# KiCad board storre.kicad_pcb (continued)
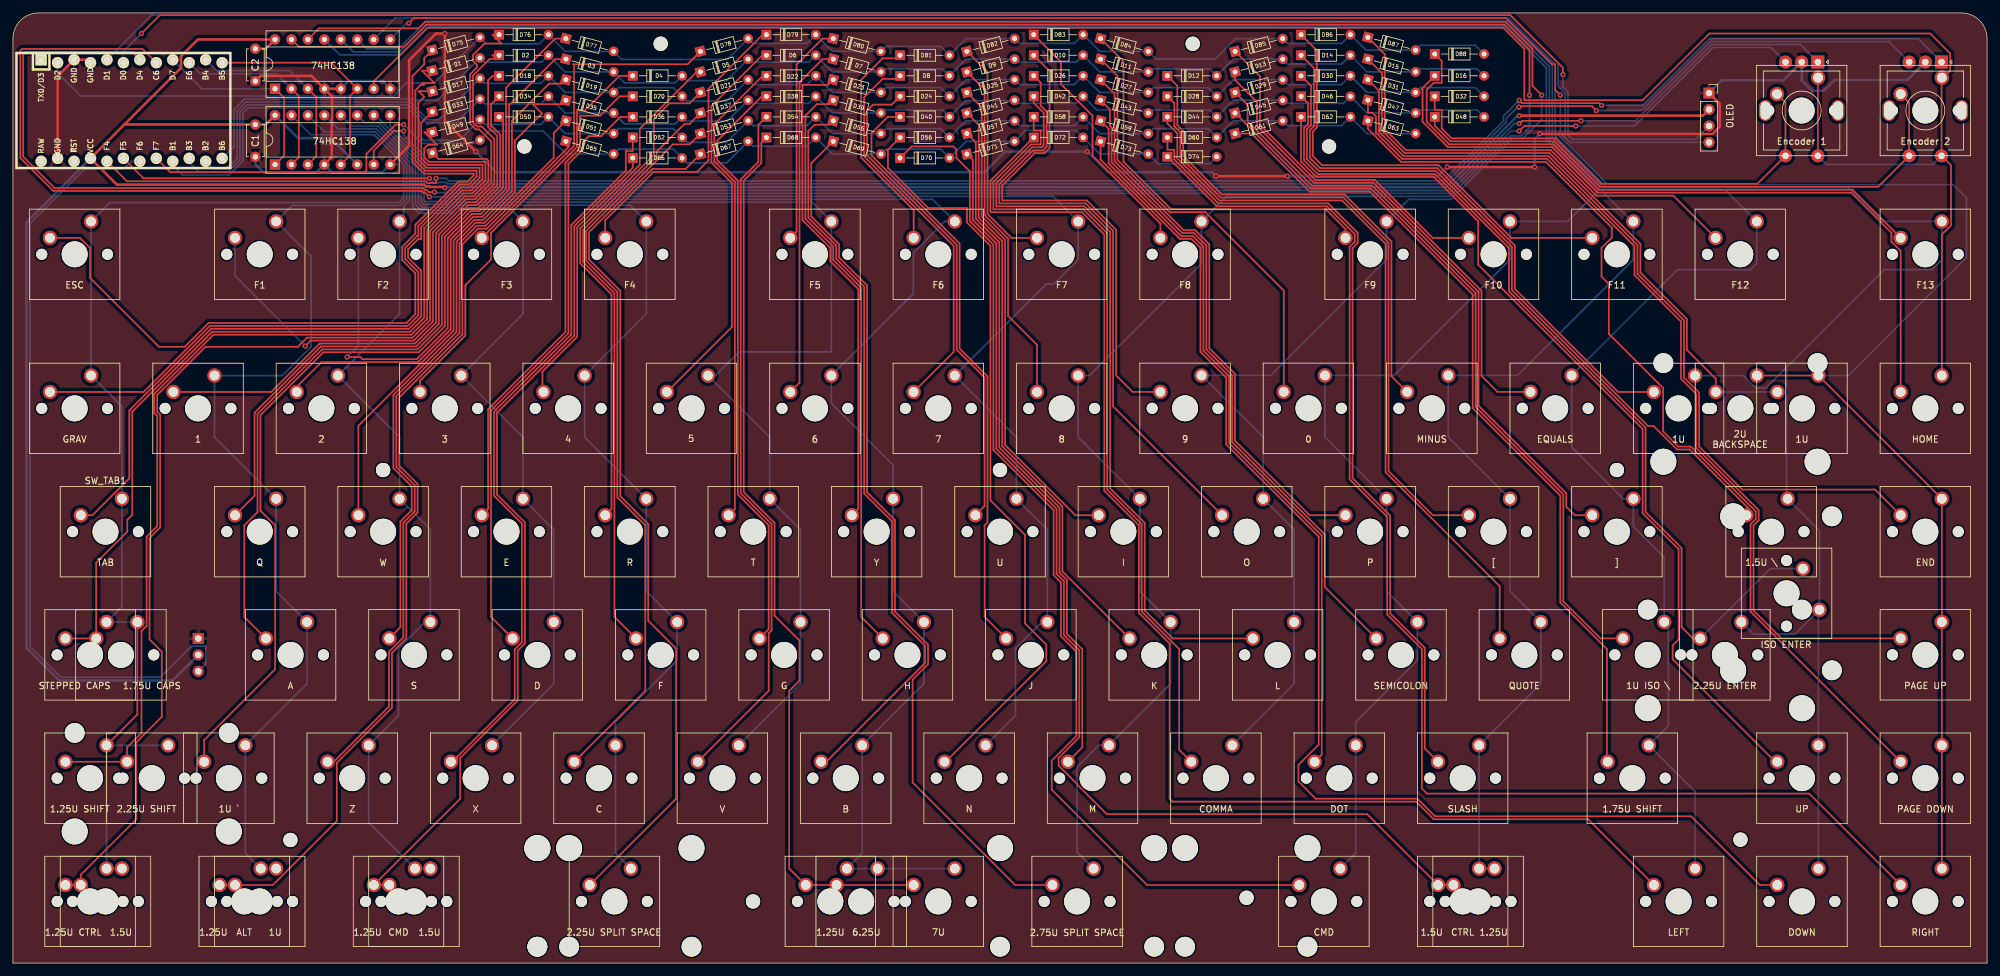
[diagram p0: board, top side]
## Nets (continued)
Net-(D31-K): D31.1 SW_END1.2
Net-(D33-K): D33.1 SW_CAPS1.2 SW_STEP_CAPS1.2
Net-(D34-K): D34.1 SW_A1.2
Net-(D35-K): D35.1 SW_S1.2
Net-(D36-K): D36.1 SW_D1.2
Net-(D37-K): D37.1 SW_F1.2
Net-(D38-K): D38.1 SW_G1.2
Net-(D39-K): D39.1 SW_H1.2
Net-(D40-K): D40.1 SW_J1.2
Net-(D41-K): D41.1 SW_K1.2
Net-(D42-K): D42.1 SW_L1.2
Net-(D43-K): D43.1 SW_SEMICOLON1.2
Net-(D44-K): D44.1 SW_QUOTE1.2
Net-(D45-K): D45.1 SW_ISO_\1.2
Net-(D46-K): D46.1 SW_ANSI_ENT1.2 SW_ISO_ENT1.2
Net-(D47-K): D47.1 SW_PGUP1.2
Net-(D49-K): D49.1 SW_ISO_LSHF1.2 SW_LSHF1.2
Net-(D50-K): D50.1 SW_ISO_`1.2
Net-(D51-K): D51.1 SW_Z1.2
Net-(D52-K): D52.1 SW_X1.2
Net-(D53-K): D53.1 SW_C1.2
Net-(D54-K): D54.1 SW_V1.2
Net-(D55-K): D55.1 SW_B1.2
Net-(D56-K): D56.1 SW_N1.2
Net-(D57-K): D57.1 SW_M1.2
Net-(D58-K): D58.1 SW_COMMA1.2
Net-(D59-K): D59.1 SW_DOT1.2
Net-(D60-K): D60.1 SW_/1.2
Net-(D61-K): D61.1 SW_RSHIFT1.2
Net-(D62-K): D62.1 SW_UP1.2
Net-(D63-K): D63.1 SW_PGDN1.2
Net-(D64-K): D64.1 SW_LCTRL_1.5U1.2 SW_LCTRL_1.25U1.2
Net-(D65-K): D65.1 SW_LALT_1.25U1.2 SW_LALT_1U1.2
Net-(D66-K): D66.1 SW_LCMD_1.25U1.2 SW_LCOM_1.5U1.2
Net-(D67-K): D67.1 SW_SPL_SPACE_L1.2
Net-(D68-K): D68.1 SW_6.25U_SPACE1.2 SW_7U_SPACE1.2 SW_SPL_SPACE_M1.2
Net-(D69-K): D69.1 SW_SPL_SPACE_R1.2
Net-(D70-K): D70.1 SW_R_CMD1.2
Net-(D71-K): D71.1 SW_R_CTRL_1.5U1.2 SW_R_CTRL_1.25U1.2
Net-(D72-K): D72.1 SW_LEFT1.2
Net-(D73-K): D73.1 SW_DOWN1.2
Net-(D74-K): D74.1 SW_RIGHT1.2
Net-(D75-K): D75.1 SW_ESC1.2
Net-(D76-K): D76.1 SW_FUNC1.2
Net-(D77-K): D77.1 SW_FUNC2.2
Net-(D78-K): D78.1 SW_FUNC3.2
Net-(D79-K): D79.1 SW_FUNC4.2
Net-(D80-K): D80.1 SW_FUNC5.2
Net-(D81-K): D81.1 SW_FUNC6.2
Net-(D82-K): D82.1 SW_FUNC7.2
Net-(D83-K): D83.1 SW_FUNC8.2
Net-(D84-K): D84.1 SW_FUNC9.2
Net-(D85-K): D85.1 SW_FUNC10.2
Net-(D86-K): D86.1 SW_FUNC11.2
Net-(D87-K): D87.1 SW_FUNC12.2
Net-(D88-K): D88.1 SW_FUNC13.2

Pads without a net: U1 1 22 24

## Via types
v1: diameter 0.8, hole 0.4, Top to Bottom, 32 vias

## Routing (per net, layer and track width the routed paths; a pad name or vN(x,y) marks a point on that pad's centre or on a via; arc(x,y) is an arc through that point)
GND: length 372.1
  Top w0.381: U3.4 46.1,137.11 38.22,137.11 C2.2 ; U3.4 49.27,133.93 49.27,130.54 49.21,130.48 49.21,124.54 U2.4 ; U3.4 U3.5 ; v1(221.46,123.03) v1(234.95,123.03) ; v1(235.74,128.18) 235.79,128.13 262.39,128.13 263.52,129.27 263.52,132.81 J1.1 ; v1(71.44,125.41) 66.67,130.18 v1(66.67,143.67) 65.31,143.67 61.16,139.52 61.16,126.33 U2.8 ; U1.23 6.9,137.07 U1.3 11.52,139.61 U1.4 ; v1(185.74,121.62) v1(196.78,121.62)
  Bottom w0.381: v1(235.74,128.18) 234.95,127.39 v1(234.95,123.03) ; C1.2 37.42,123.47 38.67,122.22 46.89,122.22 U2.4 49.27,122.22 57.05,122.22 U2.8 ; v1(71.44,125.41) 74.61,122.24 150.02,122.24 153.19,125.41 v1(165.89,125.41) 169.07,122.24 185.12,122.24 v1(185.74,121.62) ; J1.1 263.86,136.44 273.35,136.44 SW83.C 276.18,136.44 277.8,134.81 279.58,134.81 281.25,136.49 292.5,136.49 SW84.C ; U3.5 51.81,136.32 57.05,136.32 U3.8 ; v1(221.46,123.03) 220.05,121.62 v1(196.78,121.62)
VCC: length 447.3
  Top w0.381: C2.1 39.03,141.31 U3.16 28.55,142.75 25.94,140.14 25.94,138.34 17.2,129.6 ; 17.2,129.6 C1.1 39.03,129.6 U2.16 ; 17.2,129.6 U1.21 16.04,120.31 63.51,120.31 63.78,120.04 64.29,120.04 64.38,119.95 66.56,119.95 v1(66.67,119.83) ; v1(232.57,130.97) 260.93,130.97 J1.2
  Bottom w0.381: U1.21 2.1,114.5 2.1,48.69 7.14,43.66 24.64,43.66 J2.2 ; U2.6 49.07,127.5 43.99,127.5 U2.16 ; v1(66.67,119.83) 66.77,119.92 216.69,119.92 216.69,119.92 221.28,119.92 232.33,130.97 v1(232.57,130.97)
col0: length 197
  Top w0.254: SW_CAPS1.1 19.21,38.42 SW_ISO_LSHF1.1
  Bottom w0.254: SW_LSHF1.1 SW_ISO_LSHF1.1 SW_LCTRL_1.25U1.1 SW_LCTRL_1.5U1.1 ; U2.15 46.02,128.02 55.76,128.02 60.33,123.45 60.33,118.27 59.59,117.54 14.98,117.54 SW_ESC1.1 SW_GRAV1.1 16.83,86.04 SW_TAB1.1 16.83,55.09 SW_STEP_CAPS1.1 SW_CAPS1.1
col1: length 173.2
  Bottom w0.254: SW_LALT_1U1.1 SW_LALT_1.25U1.1 35.88,16.99 SW_ISO_`1.1 45.4,43.18 SW_A1.1 40.64,57.47 SW_Q1.1 31.11,81.28 SW_1.1 41.59,90.81 46.04,95.25 46.04,109.22 SW_FUNC1.1 43.1,117.08 59.78,117.08 60.78,118.08 60.78,123.64 55.95,128.47 48.1,128.47 U2.14
col2: length 145.6
  Bottom w0.254: U2.13 50.19,128.93 56.13,128.93 61.23,123.83 61.23,117.89 60.33,116.98 60.33,115.25 SW_FUNC2.1 59.69,100.33 SW_2.1 59.69,81.28 SW_W1.1 64.45,66.99 SW_S1.1 63.63,52.72 59.54,48.62 59.54,38.26 SW_Z1.1 54.93,21.75 SW_LCMD_1.25U1.1 SW_LCOM_1.5U1.1
col3: length 134.5
  Bottom w0.254: SW_X1.1 83.5,43.18 SW_D1.1 83.5,66.99 SW_E1.1 78.74,81.28 SW_3.1 78.74,100.33 SW_FUNC3.1 76.68,116.68 68.41,116.68 67.61,115.89 62.71,115.89 61.69,116.91 61.69,124.02 56.32,129.38 52.27,129.38 U2.12
col4: length 171
  Bottom w0.254: U2.11 54.29,129.91 56.44,129.91 62.14,124.2 62.14,117.25 63.05,116.34 67.43,116.34 68.22,117.14 95.27,117.14 SW_FUNC4.1 97.79,100.33 SW_4.1 88.26,81.28 SW_R1.1 97.79,57.47 SW_F1.1 102.55,46.8 93.03,37.28 SW_C1.1 93.03,16.99 SW_SPL_SPACE_L1.1
col5: length 189.8
  Bottom w0.254: U2.10 55.96,131.03 62.59,124.39 62.59,117.43 63.23,116.8 67.24,116.8 68.03,117.59 123.39,117.59 SW_FUNC5.1 126.37,94.61 126.21,94.46 112.11,94.46 108.45,90.81 SW_5.1 116.84,81.28 SW_T1.1 121.6,66.99 SW_G1.1 121.6,43.18 SW_V1.1
col6: length 236
  Bottom w0.254: U2.9 58.24,129.39 63.05,124.58 63.05,117.62 63.42,117.25 67.05,117.25 67.84,118.04 141.99,118.04 SW_FUNC6.1 143.86,114.62 139.02,109.78 139.02,103.46 SW_6.1 126.37,86.53 135.89,77 SW_Y1.1 135.89,57.47 SW_H1.1 140.65,43.18 SW_B1.1 131.13,16.99 SW_SPL_SPACE_M1.1 SW_6.25U_SPACE1.1 SW_7U_SPACE1.1
col7: length 222.9
  Top w0.254: U2.7 55.7,125.55 58.74,128.59 v1(60.33,128.59)
  Bottom w0.254: v1(60.33,128.59) 60.33,127.95 63.5,124.77 63.5,117.81 63.61,117.7 66.86,117.7 67.66,118.5 160.59,118.5 SW_FUNC7.1 164.47,108.72 160.69,104.94 159.55,104.94 SW_7.1 154.94,81.28 SW_U1.1 159.7,66.99 SW_J1.1 158.88,52.72 154.79,48.62 154.79,38.26 SW_N1.1
col8: length 386.1
  Top w0.254: v1(234.16,134.14) 234.16,141.14 230.28,145.01 63.8,145.01 60.41,141.62 44.13,141.62 U3.15
  Bottom w0.254: SW_SPL_SPACE_R1.1 164.31,17.14 164.31,30.29 167.67,33.66 SW_M1.1 178.75,43.18 SW_K1.1 173.99,57.47 SW_I1.1 164.47,81.28 SW_8.1 166.21,90.81 183.51,108.11 SW_FUNC8.1 187.39,118.49 221.87,118.49 231.23,127.86 232.87,127.86 234.16,129.15 v1(234.16,134.14)
col9: length 342.8
  Top w0.254: v1(236.04,134.14) 234.61,135.57 234.61,141.32 230.47,145.46 63.61,145.46 62.61,144.46 47.26,144.46 U3.14
  Bottom w0.254: v1(236.04,134.14) 236.04,130.39 233.06,127.41 231.42,127.41 222.06,118.04 215.51,118.04 SW_FUNC9.1 212.09,108.72 194.19,90.82 SW_9.1 193.04,81.29 SW_O1.1 197.8,66.99 SW_L1.1 197.8,43.18 SW_COMMA1.1
col10: length 360.9
  Bottom w0.254: U3.13 50.45,140.38 59.91,140.38 64.22,144.69 230.42,144.69 236.76,138.34 236.76,127.23 244.7,119.29 240.03,114.62 SW_FUNC10.1 231.14,108.72 213.24,90.82 SW_0.1 202.56,81.28 SW_P1.1 212.09,57.47 SW_SEMICOLON1.1 216.85,46.8 207.33,37.28 SW_DOT1.1 207.33,16.99 SW_R_CMD1.1
col11: length 351.6
  Bottom w0.254: U3.12 52.53,140.83 59.72,140.83 64.03,145.14 230.61,145.14 237.22,138.53 237.22,127.42 250.02,114.62 SW_FUNC11.1 250.19,108.72 232.29,90.82 SW_MINUS1.1 221.62,81.28 SW_LSQBR1.1 231.14,57.47 SW_QUOTE1.1 235.9,43.18 SW_/1.1 SW_R_CTRL_1.5U1.1 SW_R_CTRL_1.25U1.1
col12: length 367.6
  Bottom w0.254: SW_LEFT1.1 259.71,26.51 SW_RSHIFT1.1 255.59,36.67 255.59,52.08 SW_ISO_\1.1 254.95,62.72 250.19,67.48 SW_RSQBR1.1 248.63,71.75 240.67,79.72 SW_EQUAL1.1 257.01,107.16 268.29,107.16 269.24,108.11 SW_FUNC12.1 264.46,119.4 245.87,119.4 237.67,127.61 237.67,138.72 230.79,145.6 63.84,145.6 59.53,141.29 54.62,141.29 U3.11
col13: length 410.1
  Bottom w0.254: SW_ISO_ENT1.1 278.92,66.83 SW_ANSI_\1.1 273.84,71.92 273.84,92.07 273.84,92.08 ; SW_ISO_ENT1.1 275.16,50.84 268.73,50.84 SW_ANSI_ENT1.1 ; SW_ISO_ENT1.1 278.76,54.44 SW_UP1.1 SW_DOWN1.1 ; U3.10 59.01,146.05 230.98,146.05 238.12,138.91 238.12,127.79 246.06,119.86 283.37,119.86 288.61,114.62 SW_FUNC13.1 297.81,108.72 296.26,107.16 288.93,107.16 273.84,92.08 ; 273.84,92.08 270.67,88.9 269.08,88.9 267.18,90.81 SW_BCKSP_1U1.1
col14: length 395.9
  Top w0.254: v1(238.92,134.14) 238.12,134.94 238.12,138.91 237.67,138.91 230.53,146.05 61.91,146.05 v1(61.12,145.26) ; SW_RIGHT1.1 SW_PGDN1.1 SW_PGUP1.1 SW_END1.1 SW_DEL1.1 SW_BCKSP1.1
  Bottom w0.254: v1(61.12,145.26) 60.75,145.26 U3.9 ; v1(238.92,134.14) 238.92,128.32 238.58,127.98 246.25,120.31 299.58,120.31 301.62,118.27 301.62,109.07 283.36,90.81 SW_DEL1.1
encA: length 324.7
  Top w0.254: v1(65.09,119.16) 64.21,119.16 63.85,119.52 63.56,119.52 63.29,119.79 6.41,119.79 1.59,124.62 1.59,140.81 18.39,140.81 U1.7 ; v1(232.56,129.75) 232.83,130.02 232.88,130.02 233.04,130.18 v1(242.09,130.18)
  Bottom w0.254: v1(65.09,119.16) 65.18,119.06 66.67,119.06 66.71,119.1 66.98,119.1 67.28,119.41 160.96,119.41 160.96,119.4 221.49,119.4 231.84,129.75 v1(232.56,129.75) ; v1(242.09,130.18) 250.52,130.18 262.31,141.97 275.97,141.97 SW83.A
encB: length 324.1
  Top w0.254: U1.8 20,141.29 1.42,141.29 1.13,141 1.13,124.43 6.22,119.34 63.1,119.34 63.38,119.07 63.66,119.07 v1(64.29,118.43) ; v1(241.3,129.38) 233.36,129.38 v1(232.57,128.59)
  Bottom w0.254: SW83.B 271.42,141.51 262.5,141.51 250.37,129.38 v1(241.3,129.38) ; v1(64.29,118.43) 66.95,118.43 67.47,118.95 160.77,118.95 160.78,118.95 221.68,118.95 231.32,128.59 v1(232.57,128.59)
encC: length 297.4
  Top w0.254: v1(232.57,133.35) 233.02,132.9 244.93,132.9 v1(245.27,132.56) ; v1(65.32,121.28) 65.32,120.65 65.23,120.56 63.99,120.56 63.72,120.83 17.6,120.83 U1.20
  Bottom w0.254: v1(232.57,133.35) 232.57,133.01 232.23,133.01 230.14,130.92 230.14,130.15 220.88,120.89 217.1,120.89 217.09,120.89 67.28,120.89 66.89,121.28 v1(65.32,121.28) ; SW84.A 294.16,142.88 261.94,142.88 251.62,132.56 v1(245.27,132.56)
encD: length 288.8
  Top w0.254: v1(232.53,132.28) 232.69,132.44 243.8,132.44 v1(244.48,131.76) ; v1(64.29,121.28) 20.14,121.28 U1.19
  Bottom w0.254: v1(244.48,131.76) 251.47,131.76 262.13,142.42 289.72,142.42 289.72,142.32 SW84.B ; v1(64.29,121.28) 65.02,120.56 65.62,120.56 65.72,120.65 66.88,120.65 67.09,120.44 216.91,120.44 216.91,120.44 221.06,120.44 230.59,129.96 230.59,130.58 232.29,132.28 v1(232.53,132.28)
LED: length 121.9
  Bottom w0.254: J2.3 29.78,46.26 29.78,48.99 27.56,48.99 22.74,44.17 7.36,44.17 2.62,48.91 2.62,114.29 11.05,122.71 17.1,122.71 18.26,123.87 18.26,123.91 U1.18
mux0: length 30.5
  Top w0.254: U3.1 41.88,133.71 41.88,124.83 U2.1
  Bottom w0.254: U1.9 29.16,135.12 U3.1
mux1: length 30.1
  Top w0.254: U3.2 44.13,134 44.13,124.54 U2.2
  Bottom w0.254: U3.2 40.69,137.44 28.93,137.44 U1.10
mux2: length 30.4
  Top w0.254: U3.3 46.83,133.84 46.83,124.7 U2.3
  Bottom w0.254: U3.3 42.72,137.95 31.42,137.95 U1.11
mux3: length 35.3
  Top w0.254: U1.12 49.13,139.15 U3.6 52.04,134 52.04,124.83 U2.5
RotA: length 74.5
  Top w0.254: SW_ENC1.2 273.68,132.99 SW83.S1 269.34,120.42 245.23,120.42 238.19,127.46 222.13,127.46 220.6,128.99 220.6,131.85 219.52,131.85 D32.1
RotB: length 346.8
  Top w0.254: SW_ENC1.1 278.68,136.8 SW83.S2 ; U3.7 55.7,136.27 63.99,144.55 230.1,144.55 233.36,141.29 233.36,133.35 251.62,133.35 261.94,143.67 296.02,143.67 299.1,140.59 299.1,137.94 298.01,136.84 SW_ENC2.1 297.77,136.8 SW84.S2 299.24,123.29 299.24,114.03 297.81,112.6 SW_HOME1.1
  Bottom w0.254: SW83.S2 280,123.44 296.45,123.44 SW84.S2
RotC: length 90.6
  Top w0.254: SW_ENC2.2 292.77,132.99 SW84.S1 287.98,119.97 245.04,119.97 238.01,127 221.94,127 219.52,129.42 D48.1
row0: length 241.3
  Bottom w0.254: D88.2 225.79,141.85 217.31,141.85 D87.2 208.89,141.1 D86.2 205.15,142.12 196.81,142.12 D85.2 188.76,142.87 185.58,139.7 176.49,139.7 D84.2 167.8,140.91 D83.2 163.88,142.12 155.4,142.12 D82.2 147.16,142.88 D81.2 143.24,141.66 134.76,141.66 D80.2 126.53,140.91 D79.2 122.6,142.12 114.26,142.12 D78.2 110.29,139.66 93.99,139.66 D77.2 85.25,140.91 D76.2 81.28,142.08 73.09,142.08 D75.2 65.02,135.99 60.7,135.99 58.71,134 10.46,134 6.9,137.57 U1.2
row1: length 218.8
  Bottom w0.254: D16.2 226.07,138.2 217.04,138.2 D15.2 209.08,137.73 D14.2 205.15,138.95 196.81,138.95 D13.2 188.44,139.7 D12.2 184.79,138.2 175.76,138.2 D11.2 167.8,137.73 D10.2 164.15,139.23 155.13,139.23 D9.2 147.16,139.7 D8.2 143.52,138.2 134.49,138.2 D7.2 126.53,137.73 D6.2 122.88,139.23 113.98,139.23 D5.2 110.18,136.38 104.07,136.38 D4.2 102.24,136.05 94.42,136.05 D3.2 85.25,137.73 D2.2 81.6,139.23 72.77,139.23 D1.2 65.56,133.35 61.69,133.35 61.5,133.54 35.76,133.54 34.13,131.91 34.13,126.21 U1.13
row2: length 225.3
  Bottom w0.254: U1.14 30.96,122.71 32.98,122.71 34.59,124.32 34.59,131.73 35.95,133.09 61.31,133.09 64.08,130.33 65.71,130.33 D17.2 72.85,135.97 81.52,135.97 D18.2 85.25,134.56 D19.2 93.49,135.31 101.96,135.31 D20.2 104.07,133.2 110.18,133.2 D21.2 114.26,135.78 122.6,135.78 D22.2 126.53,134.56 D23.2 134.76,135.31 143.24,135.31 D24.2 147.16,136.53 D25.2 155.4,135.78 163.88,135.78 D26.2 167.8,134.56 D27.2 176.04,135.31 184.51,135.31 D28.2 188.44,136.53 D29.2 196.81,135.78 205.15,135.78 D30.2 209.08,134.56 D31.2 217.31,135.31 225.79,135.31 D32.2
row3: length 226.3
  Bottom w0.254: D48.2 226.07,131.85 217.04,131.85 D47.2 209.08,131.38 D46.2 205.43,132.88 196.53,132.88 D45.2 188.44,133.35 D44.2 184.79,131.85 175.76,131.85 D43.2 174.81,131.85 167.33,131.85 D42.2 164.15,132.88 155.13,132.88 D41.2 154.61,133.31 147.12,133.31 D40.2 143.67,131.7 143.67,131.76 143.58,131.85 134.49,131.85 D39.2 126.53,131.38 D38.2 122.88,132.88 113.98,132.88 D37.2 110.29,130.13 103.96,130.13 D36.2 102.24,129.7 94.42,129.7 D35.2 85.25,131.38 D34.2 81.52,132.79 72.85,132.79 D33.2 68.43,129.87 63.89,129.87 61.12,132.64 36.14,132.64 35.04,131.54 35.04,124.13 33.17,122.26 28.69,122.26 27.22,123.73 U1.15
row4: length 220.8
  Bottom w0.254: D63.2 209.08,128.21 D62.2 205.15,129.43 196.81,129.43 D61.2 188.44,130.18 D60.2 184.51,128.96 176.04,128.96 D59.2 167.8,128.21 D58.2 163.88,129.43 155.4,129.43 D57.2 147.16,130.18 D56.2 143.24,128.96 134.76,128.96 D55.2 126.53,128.21 D54.2 122.6,129.43 114.26,129.43 D53.2 110.18,126.85 104.07,126.85 D52.2 101.96,128.96 93.49,128.96 D51.2 85.25,128.21 D50.2 81.52,129.62 72.85,129.62 D49.2 68.88,127.15 63.35,127.15 62.71,127.79 62.71,130.41 60.93,132.18 36.33,132.18 35.49,131.35 35.49,123.94 33.35,121.8 26.14,121.8 24.67,123.27 U1.16
row5: length 182.4
  Top w0.254: U1.17 24.27,122.24 54.31,122.24 54.58,122.5 54.58,125.07 59.09,129.59 v1(60.33,129.59)
  Bottom w0.254: v1(60.33,129.59) 60.35,129.59 61.12,128.82 61.12,128.74 63.16,126.7 71.6,126.7 D64.2 73.5,128.59 81.88,128.59 85.44,125.03 D65.2 93.49,125.78 101.96,125.78 D66.2 104.07,123.68 110.18,123.68 D67.2 114.26,126.25 122.6,126.25 D68.2 126.53,125.03 D69.2 134.76,125.78 143.24,125.78 D70.2 147.16,127 D71.2 156.33,128.68 164.15,128.68 D72.2 167.8,125.03 D73.2 176.78,123.54 184.79,123.54 D74.2
SCL: length 263.3
  Top w0.254: v1(239.31,137.32) 239.31,138.39 231.19,146.5 22.68,146.5 v1(19.84,143.67)
  Bottom w0.254: J1.3 259.79,127.29 240.78,127.29 240.1,127.97 240.1,134.63 239.31,135.43 v1(239.31,137.32) ; v1(19.84,143.67) 17.06,140.88 U1.6
SDA: length 264.9
  Bottom w0.254: J1.4 240.37,126.84 239.22,127.98 239.65,128.41 239.65,134.44 238.58,135.51 238.58,139.12 231.19,146.5 21.41,146.5 U1.5
Net-(D1-K): length 119.7
  Top w0.254: D1.1 63.16,137.92 65.09,135.99 63.23,135.99 63.5,135.72 62.97,135.72 62.13,134.89 62.13,123.99 63.66,122.46 71.59,122.46 71.59,121.55 70.35,120.31 68.98,120.31 62.59,113.92 62.59,112.37 62.41,112.37 60.55,110.51 60.55,108.84 62.59,106.8 62.59,100.11 60.95,98.48 30.39,98.48 20.18,88.27 SW_GRAV1.2
Net-(D2-K): length 95.9
  Top w0.254: D2.1 74.06,140.3 74.61,139.75 73.61,139.75 71.02,137.16 71.02,129.92 71.66,129.29 72.38,129.29 74.31,127.36 74.31,120.42 71.48,117.59 70.11,117.59 65.31,112.79 65.31,98.99 62.08,95.75 47.36,95.75 39.87,88.27 SW_1.2
Net-(D3-K): length 79.1
  Top w0.254: D3.1 83.73,139.7 76.59,132.56 76.59,127.5 76.58,127.49 76.58,119.48 72.42,115.32 71.05,115.32 67.58,111.85 67.58,97.93 62.52,92.87 47.62,92.87 43.81,89.06 SW_2.2
Net-(D4-K): length 64.4
  Top w0.254: D4.1 93.66,137.13 88.29,131.76 87.08,131.76 87.08,126.12 73.82,112.86 73.82,108.74 69.85,104.78 69.85,96.99 62.86,90 SW_3.2
Net-(D5-K): length 60
  Top w0.254: SW_4.2 81.76,88.42 81.76,91.42 87.12,96.79 87.12,113.7 96.77,123.35 96.77,128.93 105.57,137.73 D5.1
Net-(D6-K): length 61.4
  Top w0.254: SW_5.2 111.01,98.31 111.01,120.56 107.85,123.72 107.85,132.45 115.7,140.3 D6.1
Net-(D7-K): length 55.2
  Top w0.254: SW_6.2 121.44,89.69 121.44,136.14 125.01,139.7 D7.1
Net-(D8-K): length 60.8
  Top w0.254: SW_7.2 145.25,94.45 145.25,110.84 131.42,124.67 131.42,133.8 134.27,136.65 136.5,136.65 D8.1
Net-(D9-K): length 53.9
  Top w0.254: D9.1 150.02,135 150.02,115.6 153.65,111.97 153.65,100.01 158.12,95.54 SW_8.2
Net-(D10-K): length 77.2
  Top w0.254: D10.1 160.05,137.86 160.05,125.96 159.25,125.16 157.74,125.16 152.74,120.17 152.74,117.86 165.81,117.86 170.32,113.35 170.32,90.83 172.87,88.28 177.16,88.28
Net-(D11-K): length 66.4
  Top w0.254: D11.1 170.54,137.1 170.54,124.13 178.69,115.98 178.75,116.04 184.11,116.04 196.22,103.94 196.22,88.28
Net-(D12-K): length 75.3
  Top w0.254: D12.1 179.78,135.6 179.78,129.51 180.69,128.6 180.69,124.75 186.67,118.77 205.61,118.77 212.84,111.54 212.84,90.7 215.26,88.28
Net-(D13-K): length 76.7
  Top w0.254: D13.1 188.7,136.46 192.09,133.07 192.09,129.38 200.88,120.58 210.07,120.58 226.74,103.91 226.74,90.76 229.22,88.28 234.31,88.28
Net-(D14-K): length 89
  Top w0.254: SW_BCKSP_1U1.2 247.83,88.27 231.88,104.21 231.88,110.9 219.93,122.85 201.82,122.85 200.25,124.43 200.25,128.7 200.87,129.32 200.87,138.32 D14.1
Net-(D15-K): length 96.3
  Top w0.254: D15.1 211.36,137.55 211.36,128.71 214.88,125.19 237.25,125.19 251.28,111.16 251.28,106.7 258.45,99.53 258.45,94.77 262.92,90.3 SW_BCKSP1.2
  Bottom w0.254: SW_BCKSP1.2 SW_DEL1.2
Net-(D16-K): length 112.7
  Top w0.254: SW_HOME1.2 291.46,110.06 290.04,111.49 290.04,112.86 283.84,119.06 244.66,119.06 237.63,126.09 221.57,126.09 217.64,130.02 217.64,135 217.52,135.12 D16.1
Net-(D17-K): length 124.3
  Top w0.254: SW_TAB1.2 12.27,69.22 17.97,74.92 17.97,85.42 30.58,98.02 61.14,98.02 63.04,99.93 63.04,106.99 61,109.03 61,110.32 62.6,111.92 63.04,111.92 63.04,113.73 69.17,119.86 70.54,119.86 72.04,121.36 72.04,122.92 63.85,122.92 62.59,124.18 62.59,132.96 63.5,133.88 62.63,134.75 D17.1
Net-(D18-K): length 96
  Top w0.254: D18.1 74.06,137.13 73.36,136.44 73.36,129.19 73.72,128.84 73.79,128.84 74.77,127.86 74.77,120.23 71.67,117.14 70.29,117.14 65.76,112.61 65.76,98.8 62.26,95.3 47.55,95.3 37.31,85.06 37.31,72.23 SW_Q1.2
Net-(D19-K): length 82.5
  Top w0.254: SW_W1.2 53.34,83.05 68.03,97.74 68.03,111.67 71.23,114.87 72.61,114.87 77.04,119.29 77.04,127.3 77.04,127.31 77.04,130.18 82.78,135.92 84.77,135.92 D19.1
Net-(D20-K): length 77.4
  Top w0.254: D20.1 93.66,133.95 90.68,130.97 87.53,130.97 87.53,125.94 85.31,123.71 85.31,97.54 73.36,85.6 73.36,70.19 SW_E1.2
Net-(D21-K): length 77.3
  Top w0.254: SW_R1.2 92.41,70.19 92.41,103.34 87.58,108.18 87.58,113.51 98.94,124.87 98.94,130.46 101.36,132.88 104.47,132.88 D21.1
Net-(D22-K): length 73.3
  Top w0.254: D22.1 115.76,137.13 108.3,129.67 108.3,123.91 111.46,120.74 111.46,70.19 SW_T1.2
Net-(D23-K): length 75.6
  Top w0.254: SW_Y1.2 130.52,70.19 130.52,104.16 126.2,108.48 126.2,110.52 121.9,114.83 121.9,135.73 125.86,135.73 D23.1
Net-(D24-K): length 76.7
  Top w0.254: D24.1 135.69,132.67 132.78,132.67 131.88,131.76 131.88,124.85 145.71,111.02 145.71,94.8 150.01,90.49 150.01,70.64 SW_U1.2
Net-(D25-K): length 75.9
  Top w0.254: 167.64,69.22 164.04,69.22 153.19,80.06 153.19,111.78 149.56,115.41 149.56,132.28 D25.1
Net-(D26-K): length 94.7
  Top w0.254: D26.1 158.69,136.05 158.69,132.5 159.59,131.59 159.59,126.15 159.06,125.62 157.55,125.62 152.29,120.36 152.29,117.41 165.62,117.41 169.86,113.16 169.86,86.04 SW_O1.2
Net-(D27-K): length 87.3
  Top w0.254: D27.1 170.08,134.37 170.08,123.94 180.75,113.28 182.52,113.28 184.71,111.09 184.71,95.02 188.69,91.05 188.69,80.73 200.2,69.22 SW_P1.2
Net-(D28-K): length 98.4
  Top w0.254: D28.1 179.32,132.88 179.32,129.32 180.23,128.41 180.23,124.56 186.48,118.31 205.42,118.31 212.39,111.35 212.39,76.04 219.21,69.22 224.79,69.22
Net-(D29-K): length 95.2
  Top w0.254: SW_RSQBR1.2 241.14,69.22 239.83,70.53 239.83,72.61 226.29,86.14 226.29,103.72 209.88,120.13 200.59,120.13 190.63,130.09 190.63,132.62 D29.1
Net-(D30-K): length 109.3
  Top w0.254: 267.98,69.22 267.98,70.26 258.87,79.38 256.94,79.38 253.32,82.99 252.46,82.99 231.43,104.02 231.43,110.71 219.74,122.4 201.64,122.4 199.79,124.24 199.79,128.89 200.42,129.51 200.42,135.6 D30.1
Net-(D31-K): length 126.5
  Top w0.254: D31.1 210.9,134.83 210.9,128.52 214.69,124.73 237.07,124.73 250.82,110.97 250.82,106.51 257.99,99.35 257.99,90.51 260.35,88.15 260.35,79.82 266.99,73.18 287.5,73.18 SW_END1.2
Net-(D33-K): length 139.2
  Top w0.254: D33.1 63.04,129.87 63.04,124.37 64.04,123.37 72.5,123.37 72.5,121.17 70.73,119.41 69.35,119.41 63.49,113.55 63.49,99.74 61.32,97.57 30.77,97.57 18.43,85.23 18.43,69.29 17.65,68.52 17.65,66.68 12.86,61.88 SW_CAPS1.2 SW_STEP_CAPS1.2
Net-(D34-K): length 112.1
  Top w0.254: D34.1 73.82,132.71 73.82,129.38 73.91,129.29 73.98,129.29 75.22,128.05 75.22,120.05 71.86,116.68 70.48,116.68 66.22,112.42 66.22,98.61 62.45,94.84 47.73,94.84 37.76,84.87 37.76,69.7 35.72,67.66 35.72,53.49 SW_A1.2
Net-(D35-K): length 101.5
  Top w0.254: D35.1 84.77,132.74 80.25,132.74 81.69,131.31 77.49,127.11 77.49,125.59 77.5,125.59 77.5,119.11 72.8,114.41 71.42,114.41 68.49,111.48 68.49,97.55 58.74,87.8 58.74,76.5 61.57,73.67 61.57,70 59.83,68.25 59.83,51.9 SW_S1.2
Net-(D36-K): length 93.3
  Top w0.254: D36.1 93.79,130.78 90.8,127.79 88.9,127.79 87.99,126.88 87.99,125.75 85.76,123.52 85.76,97.35 73.82,85.41 73.82,53.5 SW_D1.2
Net-(D37-K): length 92.6
  Top w0.254: D37.1 104.47,129.7 103.68,129.7 99.39,125.41 99.39,124.69 88.03,113.32 88.03,108.37 92.87,103.53 92.87,53.5 SW_F1.2
Net-(D38-K): length 91.2
  Top w0.254: SW_G1.2 116.68,51.59 116.68,67.66 111.92,72.42 111.92,120.93 108.75,124.1 108.75,127.09 113.93,132.27 113.95,132.27 114.58,132.9 114.58,132.92 115.61,133.95 D38.1
Net-(D39-K): length 91
  Top w0.254: D39.1 126.04,132.74 124.12,132.74 122.35,130.97 122.35,115.02 126.66,110.71 126.66,108.67 130.97,104.35 130.97,53.49 SW_H1.2
Net-(D40-K): length 92.5
  Top w0.254: D40.1 135.06,130.78 132.56,128.27 132.56,124.82 146.16,111.21 146.16,94.99 150.47,90.68 150.47,68.11 150.02,67.66 150.02,53.51 SW_J1.2
Net-(D41-K): length 91.6
  Top w0.254: SW_K1.2 162.04,60.53 162.04,70.58 152.74,79.88 152.74,111.59 149.11,115.22 149.11,129.56 D41.1
Net-(D42-K): length 120
  Top w0.254: SW_L1.2 179.08,50.16 174.74,54.5 174.74,68.03 169.41,73.36 169.41,112.98 165.43,116.95 151.83,116.95 151.83,120.54 157.36,126.07 158.87,126.07 159.14,126.34 159.14,131.4 157.61,132.93 D42.1
Net-(D43-K): length 101.9
  Top w0.254: D43.1 169.36,131.92 169.36,129.39 169.63,129.12 169.63,123.76 180.56,112.82 182.34,112.82 184.26,110.9 184.26,94.84 188.23,90.86 188.23,80.54 202.53,66.25 202.53,58.14 SW_SEMICOLON1.2
Net-(D44-K): length 113
  Top w0.254: D44.1 178.25,129.76 179.78,128.23 179.78,124.37 186.29,117.86 205.23,117.86 211.93,111.16 211.93,75.86 229.55,58.23 SW_QUOTE1.2
Net-(D45-K): length 113.5
  Top w0.254: D45.1 200.4,119.68 209.69,119.68 225.84,103.53 225.84,85.96 239.37,72.42 239.37,55.9 245.1,50.18 SW_ISO_\1.2
Net-(D46-K): length 141.4
  Top w0.254: SW_ANSI_ENT1.2 259.4,50.16 257.63,51.93 257.63,64.15 252.07,69.71 252.07,82.74 230.98,103.83 230.98,110.52 219.55,121.95 201.45,121.95 199.34,124.06 199.34,129.08 199.96,129.7 199.96,132.88 D46.1
  Bottom w0.254: SW_ANSI_ENT1.2 271.3,60.95 SW_ISO_ENT1.2
Net-(D47-K): length 142.2
  Top w0.254: SW_PGUP1.2 273.04,50.18 268.74,54.48 268.74,67.64 269.53,68.44 269.53,69.99 259.85,79.67 259.9,79.71 259.9,87.96 257.54,90.32 257.54,99.16 250.37,106.33 250.37,110.79 236.88,124.28 214.5,124.28 210.45,128.33 210.45,130.84 209.87,131.42 209.2,131.42 D47.1
Net-(D49-K): length 161.5
  Top w0.254: D49.1 63.54,128.4 65.47,126.47 64.08,126.47 63.5,125.89 63.5,124.56 64.23,123.83 72.95,123.83 72.95,120.99 70.92,118.95 69.54,118.95 63.95,113.36 63.95,99.55 61.51,97.11 30.95,97.11 21.81,87.97 21.81,85.03 22.28,84.56 22.28,67.53 20.64,65.88 20.64,52.11 19.84,51.32 19.84,35.57 17.62,33.34 SW_LSHF1.2 SW_ISO_LSHF1.2
Net-(D50-K): length 130.3
  Top w0.254: SW_ISO_`1.2 29.53,34.46 40.48,45.41 40.48,67.66 38.21,69.92 38.21,84.68 47.92,94.39 62.64,94.39 66.67,98.42 66.67,112.23 70.67,116.23 72.05,116.23 75.68,119.86 75.68,127.86 75.68,127.87 75.68,129.9 75.06,130.52 D50.1
Net-(D51-K): length 118
  Top w0.254: D51.1 83.49,128.29 83.49,124.47 72.99,113.96 71.61,113.96 68.94,111.29 68.94,97.37 59.19,87.61 59.19,76.69 62.02,73.86 62.02,69.81 60.28,68.07 60.28,50.34 58.06,48.12 58.06,39.65 49.55,31.14 49.55,31.12 SW_Z1.2
Net-(D52-K): length 112.9
  Top w0.254: D52.1 95.7,125.5 94.62,125.5 94.62,122.48 86.21,114.08 86.21,97.17 74.27,85.22 74.27,72.23 78.58,67.92 78.58,49.57 77.48,48.47 77.48,40.77 68.6,31.89 68.6,31.12 SW_X1.2
Net-(D53-K): length 114.2
  Top w0.254: SW_C1.2 97.63,42.07 97.63,67.66 93.32,71.97 93.32,103.72 88.48,108.56 88.48,113.13 101.88,126.53 104.47,126.53 D53.1
Net-(D54-K): length 108
  Top w0.254: SW_V1.2 116.69,42.07 116.69,50.96 117.13,51.4 117.13,67.85 112.37,72.61 112.37,121.12 114.28,123.03 114.3,123.03 115.09,123.83 115.09,129.54 D54.1
Net-(D55-K): length 116.6
  Top w0.254: D55.1 126.04,129.57 123.78,129.57 122.8,128.59 122.8,115.2 127.11,110.9 127.11,108.85 131.43,104.54 131.43,72.57 135.73,68.26 135.73,54.13 140.83,49.02 140.83,46.38 125.57,31.12 SW_B1.2
Net-(D56-K): length 117.6
  Top w0.254: D56.1 134.97,125.6 135.09,125.48 135.09,122.92 141.33,116.68 147.29,116.68 147.29,114.47 150.92,110.84 150.92,71.51 156.25,66.18 156.25,52.5 159.54,49.21 159.54,46.66 144,31.12 SW_N1.2
Net-(D57-K): length 105.4
  Top w0.254: SW_M1.2 165.1,33.34 165.1,48.5 162.72,50.88 162.72,59.21 161.58,60.34 161.58,70.39 152.28,79.69 152.28,111.4 148.66,115.03 148.66,126.84 D57.1
Net-(D58-K): length 125.4
  Top w0.254: SW_COMMA1.2 180.07,32.98 180.07,48.53 174.29,54.31 174.29,67.84 168.95,73.17 168.95,112.79 165.24,116.5 151.38,116.5 151.38,120.73 157.17,126.53 158.69,126.53 158.69,128.68 157.61,128.68 D58.1
Net-(D59-K): length 114.7
  Top w0.254: SW_DOT1.2 202.08,32.21 202.08,66.06 187.78,80.36 187.78,90.68 183.81,94.65 183.81,110.71 182.15,112.37 180.37,112.37 169.17,123.57 169.17,128.93 D59.1
Net-(D60-K): length 125
  Top w0.254: SW_/1.2 217.98,33.16 217.98,48.72 212.63,54.07 212.63,69.15 206.83,74.95 206.83,110.51 207.63,111.3 207.63,112.85 203.07,117.41 186.1,117.41 179.32,124.18 179.32,125.7 178.25,125.7 D60.1
Net-(D61-K): length 127.8
  Top w0.254: D61.1 191.23,128.2 200.21,119.22 209.5,119.22 225.38,103.34 225.38,85.77 238.92,72.23 238.92,55.71 246.11,48.53 246.11,31.23 SW_RSHIFT1.2
Net-(D62-K): length 141.7
  Top w0.254: D62.1 198.88,123.87 201.26,121.49 219.36,121.49 226.22,114.63 226.22,107.95 251.62,82.55 251.62,69.52 257.18,63.97 257.18,50.01 256.27,49.1 256.27,46.95 272.1,31.12 SW_UP1.2
Net-(D63-K): length 149.3
  Top w0.254: SW_PGDN1.2 268.29,54.29 268.29,67.83 269.08,68.62 269.08,69.81 259.06,79.83 257.13,79.83 254.79,82.16 254.79,88.86 246.4,97.25 246.4,104.96 245.27,106.09 245.27,110.52 246.86,112.11 246.86,113.66 236.69,123.83 214.31,123.83 209.2,128.93 D63.1
Net-(D64-K): length 170.2
  Top w0.254: SW_LCTRL_1.25U1.2 SW_LCTRL_1.5U1.2 10.48,13.65 19.05,22.22 19.05,34.13 22.98,38.06 22.98,48.13 21.09,50.02 21.09,65.7 22.73,67.34 22.73,84.75 22.27,85.22 22.27,87.79 29.73,95.25 43.98,95.25 45.39,96.66 61.7,96.66 64.4,99.36 64.4,113.17 69.73,118.5 71.11,118.5 73.41,120.8 73.41,124.01 73.14,124.28 65.68,124.28 D64.1
Net-(D65-K): length 145.4
  Top w0.254: SW_LALT_1.25U1.2 SW_LALT_1U1.2 40.12,12.06 50,21.95 50,30.95 58.51,39.46 58.51,47.93 60.74,50.15 60.74,67.88 62.48,69.62 62.48,74.05 59.65,76.88 59.65,87.43 69.4,97.18 69.4,111.1 71.8,113.5 72.98,113.5 73.08,113.41 85.72,126.05 85.72,126.66 D65.1
Net-(D66-K): length 134.9
  Top w0.254: D66.1 95.7,122.92 86.67,113.89 86.67,96.98 74.73,85.04 74.73,72.42 79.03,68.11 79.03,49.39 77.93,48.28 77.93,40.58 69.05,31.71 69.05,25.4 SW_LCMD_1.25U1.2 SW_LCOM_1.5U1.2
Net-(D67-K): length 134.2
  Top w0.254: SW_SPL_SPACE_L1.2 102.39,25.4 102.39,48.61 98.08,52.92 98.08,67.85 93.78,72.15 93.78,103.91 88.94,108.74 88.94,112.95 98.72,122.73 103.85,122.73 D67.1
Net-(D68-K): length 138.9
  Top w0.254: SW_7U_SPACE1.2 SW_6.25U_SPACE1.2 SW_SPL_SPACE_M1.2 119.86,14.61 119.86,42.07 121.44,43.65 121.44,49.84 117.59,53.69 117.59,68.04 112.82,72.8 112.82,120.91 115.55,123.64 115.55,126.82 D68.1
Net-(D69-K): length 137.1
  Top w0.254: D69.1 123.26,123.61 123.26,115.39 127.56,111.09 127.56,109.04 131.88,104.72 131.88,72.75 136.18,68.45 136.18,54.32 141.29,49.21 141.29,46.19 138.91,43.81 138.91,27.9 154.74,12.06 SW_SPL_SPACE_R1.2
